# EAGLE board Mk4 Final a Panel score 2x5 (EAGLE 9.0.1), part 1 of 29 (continued)
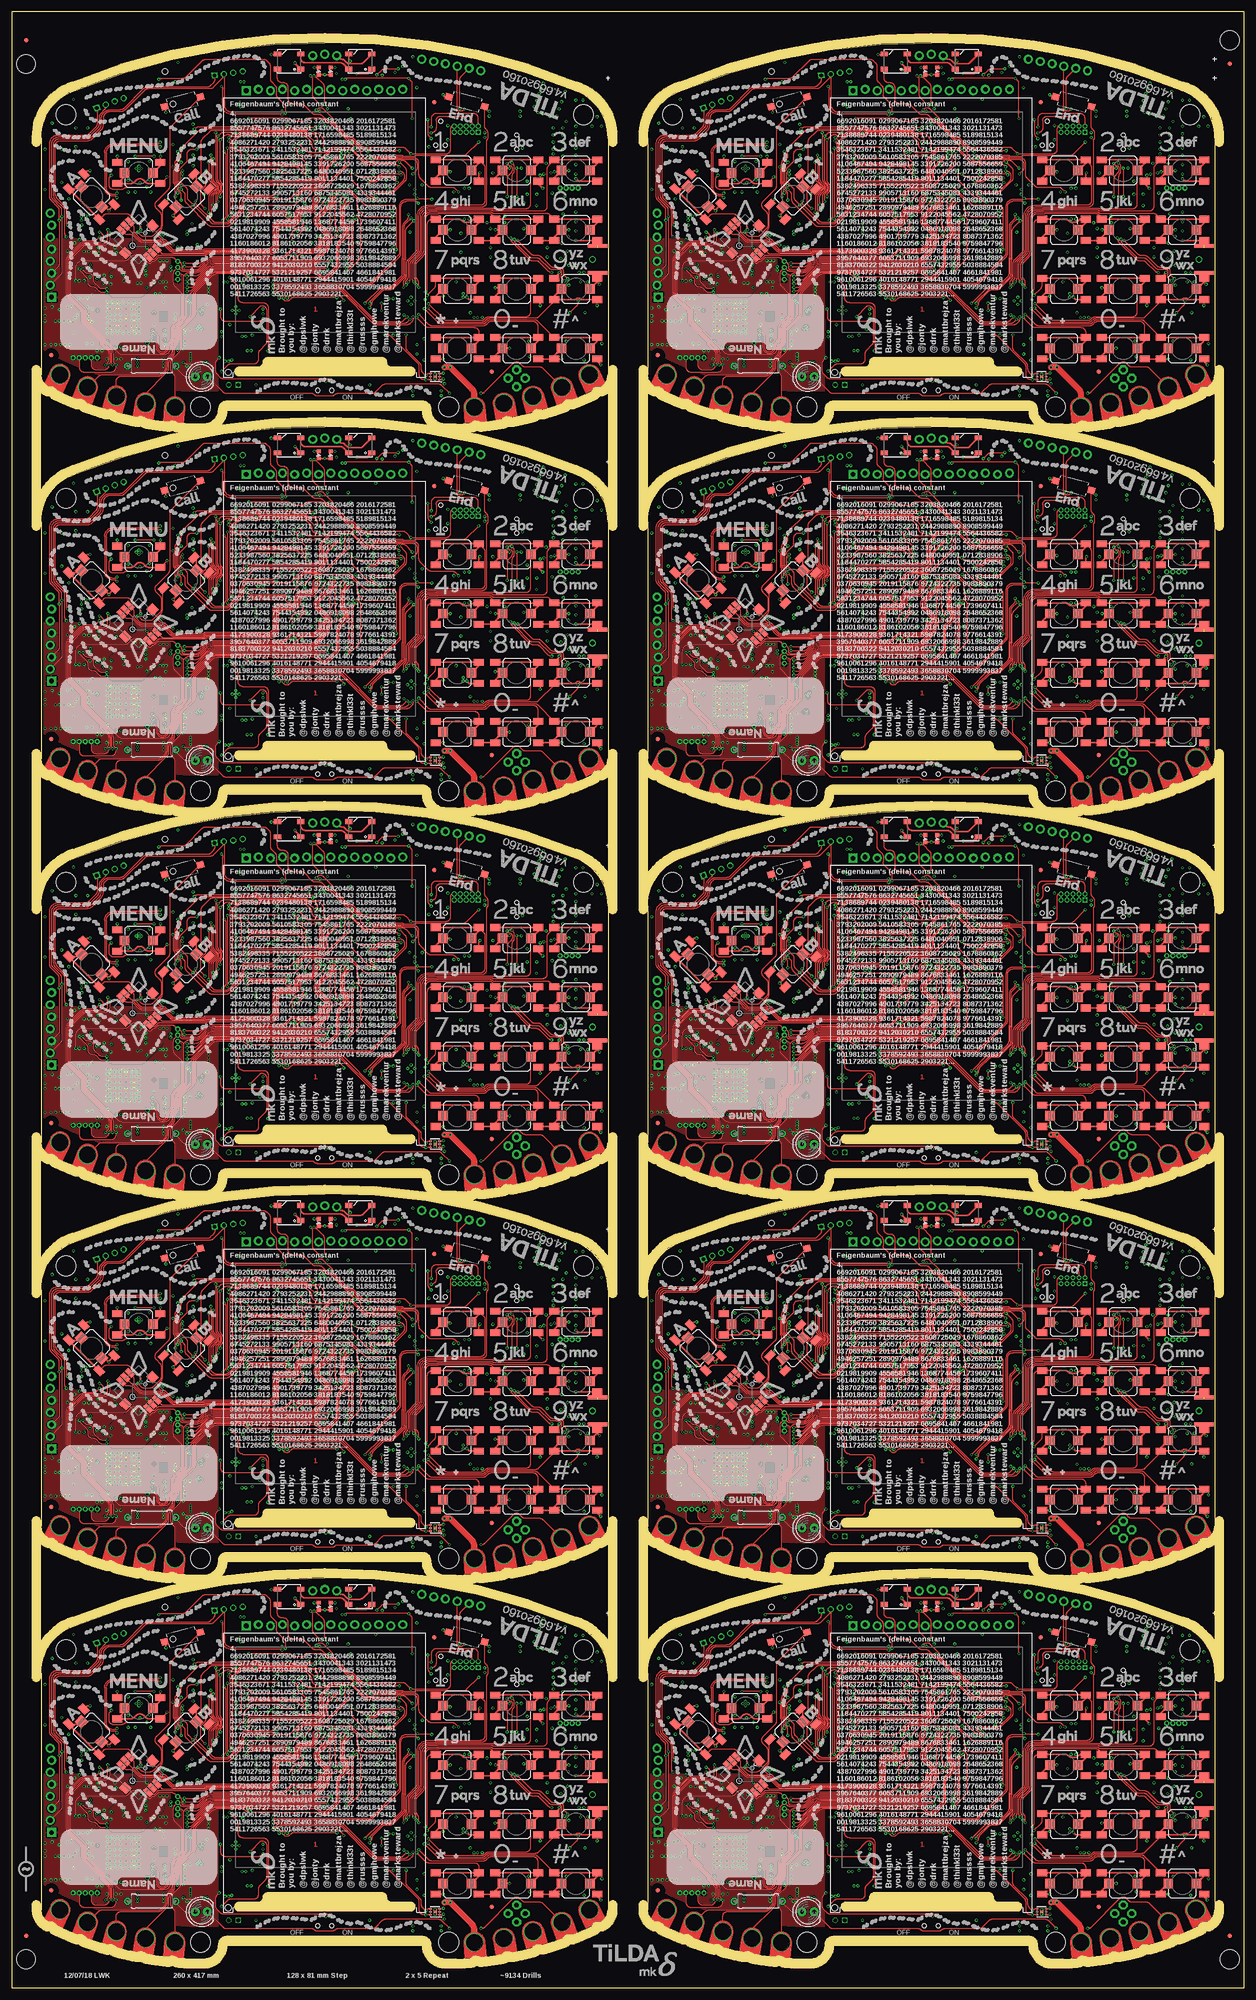
[diagram p0: board, top side]
## Placement (x,y rotation side)
ANT1  2450AT18D0100  [2450AT18D0100]  7.65,25.25 270 bottom
ANT2  2450AT18D0100  [2450AT18D0100]  114.25,76.5 20 bottom
ANT3  2450AT18D0100  [2450AT18D0100]  135.65,25.25 270 bottom
ANT4  2450AT18D0100  [2450AT18D0100]  242.25,76.5 20 bottom
ANT5  2450AT18D0100  [2450AT18D0100]  7.65,106.25 270 bottom
ANT6  2450AT18D0100  [2450AT18D0100]  114.25,157.5 20 bottom
ANT7  2450AT18D0100  [2450AT18D0100]  135.65,106.25 270 bottom
ANT8  2450AT18D0100  [2450AT18D0100]  242.25,157.5 20 bottom
ANT9  2450AT18D0100  [2450AT18D0100]  7.65,187.25 270 bottom
ANT10  2450AT18D0100  [2450AT18D0100]  114.25,238.5 20 bottom
ANT11  2450AT18D0100  [2450AT18D0100]  135.65,187.25 270 bottom
ANT12  2450AT18D0100  [2450AT18D0100]  242.25,238.5 20 bottom
ANT13  2450AT18D0100  [2450AT18D0100]  7.65,268.25 270 bottom
ANT14  2450AT18D0100  [2450AT18D0100]  114.25,319.5 20 bottom
ANT15  2450AT18D0100  [2450AT18D0100]  135.65,268.25 270 bottom
ANT16  2450AT18D0100  [2450AT18D0100]  242.25,319.5 20 bottom
ANT17  2450AT18D0100  [2450AT18D0100]  7.65,349.25 270 bottom
ANT18  2450AT18D0100  [2450AT18D0100]  114.25,400.5 20 bottom
ANT19  2450AT18D0100  [2450AT18D0100]  135.65,349.25 270 bottom
ANT20  2450AT18D0100  [2450AT18D0100]  242.25,400.5 20 bottom
ARTWORK1  ARTWORK_JOYSTICK  [TILDA_ARTWORK_JOYSTICK]  26.8,45 0 top
ARTWORK2  ARTWORK_KEYPAD-2  [TILDA_ARTWORK_KEYPAD-2]  66,6 0 top
ARTWORK3  ARTWORK_NAME  [TILDA_ARTWORK]  54.15,43.05 0 bottom
ARTWORK4  ARTWORK_MKDELTA  [TILDA_ARTWORK_MKDELTA]  43.5,41 0 bottom
ARTWORK5  ARTWORK_NAME_BLOCK  [TILDA_ARTWORK_NAME]  43.5,34 180 top
ARTWORK6  ARTWORK_MK4-JAKE  [TILDA_ARTWORK_JAKE]  66,6 0 top
ARTWORK7  ARTWORK_QR-2018  [TILDA_ARTWORK_QR-2018]  110.25,72.75 0 bottom
ARTWORK8  ARTWORK_JOYSTICK  [TILDA_ARTWORK_JOYSTICK]  154.8,45 0 top
ARTWORK9  ARTWORK_KEYPAD-2  [TILDA_ARTWORK_KEYPAD-2]  194,6 0 top
ARTWORK10  ARTWORK_NAME  [TILDA_ARTWORK]  182.15,43.05 0 bottom
ARTWORK11  ARTWORK_MKDELTA  [TILDA_ARTWORK_MKDELTA]  171.5,41 0 bottom
ARTWORK12  ARTWORK_NAME_BLOCK  [TILDA_ARTWORK_NAME]  171.5,34 180 top
ARTWORK13  ARTWORK_MK4-JAKE  [TILDA_ARTWORK_JAKE]  194,6 0 top
ARTWORK14  ARTWORK_QR-2018  [TILDA_ARTWORK_QR-2018]  238.25,72.75 0 bottom
ARTWORK15  ARTWORK_JOYSTICK  [TILDA_ARTWORK_JOYSTICK]  26.8,126 0 top
ARTWORK16  ARTWORK_KEYPAD-2  [TILDA_ARTWORK_KEYPAD-2]  66,87 0 top
ARTWORK17  ARTWORK_NAME  [TILDA_ARTWORK]  54.15,124.05 0 bottom
ARTWORK18  ARTWORK_MKDELTA  [TILDA_ARTWORK_MKDELTA]  43.5,122 0 bottom
ARTWORK19  ARTWORK_NAME_BLOCK  [TILDA_ARTWORK_NAME]  43.5,115 180 top
ARTWORK20  ARTWORK_MK4-JAKE  [TILDA_ARTWORK_JAKE]  66,87 0 top
ARTWORK21  ARTWORK_QR-2018  [TILDA_ARTWORK_QR-2018]  110.25,153.75 0 bottom
ARTWORK22  ARTWORK_JOYSTICK  [TILDA_ARTWORK_JOYSTICK]  154.8,126 0 top
ARTWORK23  ARTWORK_KEYPAD-2  [TILDA_ARTWORK_KEYPAD-2]  194,87 0 top
ARTWORK24  ARTWORK_NAME  [TILDA_ARTWORK]  182.15,124.05 0 bottom
ARTWORK25  ARTWORK_MKDELTA  [TILDA_ARTWORK_MKDELTA]  171.5,122 0 bottom
ARTWORK26  ARTWORK_NAME_BLOCK  [TILDA_ARTWORK_NAME]  171.5,115 180 top
ARTWORK27  ARTWORK_MK4-JAKE  [TILDA_ARTWORK_JAKE]  194,87 0 top
ARTWORK28  ARTWORK_QR-2018  [TILDA_ARTWORK_QR-2018]  238.25,153.75 0 bottom
ARTWORK29  ARTWORK_JOYSTICK  [TILDA_ARTWORK_JOYSTICK]  26.8,207 0 top
ARTWORK30  ARTWORK_KEYPAD-2  [TILDA_ARTWORK_KEYPAD-2]  66,168 0 top
ARTWORK31  ARTWORK_NAME  [TILDA_ARTWORK]  54.15,205.05 0 bottom
ARTWORK32  ARTWORK_MKDELTA  [TILDA_ARTWORK_MKDELTA]  43.5,203 0 bottom
ARTWORK33  ARTWORK_NAME_BLOCK  [TILDA_ARTWORK_NAME]  43.5,196 180 top
ARTWORK34  ARTWORK_MK4-JAKE  [TILDA_ARTWORK_JAKE]  66,168 0 top
ARTWORK35  ARTWORK_QR-2018  [TILDA_ARTWORK_QR-2018]  110.25,234.75 0 bottom
ARTWORK36  ARTWORK_JOYSTICK  [TILDA_ARTWORK_JOYSTICK]  154.8,207 0 top
ARTWORK37  ARTWORK_KEYPAD-2  [TILDA_ARTWORK_KEYPAD-2]  194,168 0 top
ARTWORK38  ARTWORK_NAME  [TILDA_ARTWORK]  182.15,205.05 0 bottom
ARTWORK39  ARTWORK_MKDELTA  [TILDA_ARTWORK_MKDELTA]  171.5,203 0 bottom
ARTWORK40  ARTWORK_NAME_BLOCK  [TILDA_ARTWORK_NAME]  171.5,196 180 top
ARTWORK41  ARTWORK_MK4-JAKE  [TILDA_ARTWORK_JAKE]  194,168 0 top
ARTWORK42  ARTWORK_QR-2018  [TILDA_ARTWORK_QR-2018]  238.25,234.75 0 bottom
ARTWORK43  ARTWORK_JOYSTICK  [TILDA_ARTWORK_JOYSTICK]  26.8,288 0 top
ARTWORK44  ARTWORK_KEYPAD-2  [TILDA_ARTWORK_KEYPAD-2]  66,249 0 top
ARTWORK45  ARTWORK_NAME  [TILDA_ARTWORK]  54.15,286.05 0 bottom
ARTWORK46  ARTWORK_MKDELTA  [TILDA_ARTWORK_MKDELTA]  43.5,284 0 bottom
ARTWORK47  ARTWORK_NAME_BLOCK  [TILDA_ARTWORK_NAME]  43.5,277 180 top
ARTWORK48  ARTWORK_MK4-JAKE  [TILDA_ARTWORK_JAKE]  66,249 0 top
ARTWORK49  ARTWORK_QR-2018  [TILDA_ARTWORK_QR-2018]  110.25,315.75 0 bottom
ARTWORK50  ARTWORK_JOYSTICK  [TILDA_ARTWORK_JOYSTICK]  154.8,288 0 top
ARTWORK51  ARTWORK_KEYPAD-2  [TILDA_ARTWORK_KEYPAD-2]  194,249 0 top
ARTWORK52  ARTWORK_NAME  [TILDA_ARTWORK]  182.15,286.05 0 bottom
ARTWORK53  ARTWORK_MKDELTA  [TILDA_ARTWORK_MKDELTA]  171.5,284 0 bottom
ARTWORK54  ARTWORK_NAME_BLOCK  [TILDA_ARTWORK_NAME]  171.5,277 180 top
ARTWORK55  ARTWORK_MK4-JAKE  [TILDA_ARTWORK_JAKE]  194,249 0 top
ARTWORK56  ARTWORK_QR-2018  [TILDA_ARTWORK_QR-2018]  238.25,315.75 0 bottom
ARTWORK57  ARTWORK_JOYSTICK  [TILDA_ARTWORK_JOYSTICK]  26.8,369 0 top
ARTWORK58  ARTWORK_KEYPAD-2  [TILDA_ARTWORK_KEYPAD-2]  66,330 0 top
ARTWORK59  ARTWORK_NAME  [TILDA_ARTWORK]  54.15,367.05 0 bottom
ARTWORK60  ARTWORK_MKDELTA  [TILDA_ARTWORK_MKDELTA]  43.5,365 0 bottom
ARTWORK61  ARTWORK_NAME_BLOCK  [TILDA_ARTWORK_NAME]  43.5,358 180 top
ARTWORK62  ARTWORK_MK4-JAKE  [TILDA_ARTWORK_JAKE]  66,330 0 top
ARTWORK63  ARTWORK_QR-2018  [TILDA_ARTWORK_QR-2018]  110.25,396.75 0 bottom
ARTWORK64  ARTWORK_JOYSTICK  [TILDA_ARTWORK_JOYSTICK]  154.8,369 0 top
ARTWORK65  ARTWORK_KEYPAD-2  [TILDA_ARTWORK_KEYPAD-2]  194,330 0 top
ARTWORK66  ARTWORK_NAME  [TILDA_ARTWORK]  182.15,367.05 0 bottom
ARTWORK67  ARTWORK_MKDELTA  [TILDA_ARTWORK_MKDELTA]  171.5,365 0 bottom
ARTWORK68  ARTWORK_NAME_BLOCK  [TILDA_ARTWORK_NAME]  171.5,358 180 top
ARTWORK69  ARTWORK_MK4-JAKE  [TILDA_ARTWORK_JAKE]  194,330 0 top
ARTWORK70  ARTWORK_QR-2018  [TILDA_ARTWORK_QR-2018]  238.25,396.75 0 bottom
BATT  1000mAh JST-PH  [BATTERY-32X50]  65.5,18 90 top
BATT1  1000mAh JST-PH  [BATTERY-32X50]  193.5,18 90 top
BATT2  1000mAh JST-PH  [BATTERY-32X50]  65.5,99 90 top
BATT3  1000mAh JST-PH  [BATTERY-32X50]  193.5,99 90 top
BATT4  1000mAh JST-PH  [BATTERY-32X50]  65.5,180 90 top
BATT5  1000mAh JST-PH  [BATTERY-32X50]  193.5,180 90 top
BATT6  1000mAh JST-PH  [BATTERY-32X50]  65.5,261 90 top
BATT7  1000mAh JST-PH  [BATTERY-32X50]  193.5,261 90 top
BATT8  1000mAh JST-PH  [BATTERY-32X50]  65.5,342 90 top
BATT9  1000mAh JST-PH  [BATTERY-32X50]  193.5,342 90 top
C1  0603/1u/6V3/X5R  [C0603K-SMALL]  60.75,81.5 270 bottom
C2  0402/100n/10V/X5R  [C0402-SMALLER]  75.75,52.25 0 bottom
C3  0402/100n/10V/X5R  [C0402-SMALLER]  68.5,78.75 270 bottom
C4  0402/100n/10V/X5R  [C0402-SMALLER]  75.5,74.5 0 bottom
C5  0402/100n/10V/X5R  [C0402-SMALLER]  84.45,76.5 270 bottom
C6  0603/2u2/6V3/X5R  [C0603K-SMALL]  77,57.5 0 bottom
C7  0603/1u/6V3/X5R  [C0603K-SMALL]  77,56.25 0 bottom
C8  0402/100n/10V/X5R  [C0402-SMALLER]  67.75,69 270 bottom
C9  0402/100n/10V/X5R  [C0402-SMALLER]  75.5,59.25 90 bottom
C10  0402/100n/10V/X5R  [C0402-SMALLER]  56.75,58.6 270 bottom
C11  0402/100n/10V/X5R  [C0402-SMALLER]  65.5,68.25 0 bottom
C12  0402/100n/10V/X5R  [C0402-SMALLER]  66,49.5 180 bottom
C13  0402/100n/10V/X5R  [C0402-SMALLER]  68.75,49.5 180 bottom
C14  0603/1u/6V3/X5R  [C0603K-SMALL]  68.75,47.75 180 bottom
C15  0402/100n/10V/X5R  [C0402-SMALLER]  64.5,70.25 0 bottom
C16  0402/12p/50V/C0G  [C0402-SMALLER]  68.25,70.45 180 bottom
C17  0402/12p/50V/C0G  [C0402-SMALLER]  70.25,70.45 0 bottom
C18  0402/12p/50V/C0G  [C0402-SMALLER]  59.4,69 180 bottom
C19  0402/12p/50V/C0G  [C0402-SMALLER]  61.4,69 0 bottom
C20  0603/3n3/50V/X7R  [C0603K-SMALL]  82.5,83.5 90 bottom
C21  0402/100n/10V/X5R  [C0402-SMALLER]  80,31.75 180 bottom
C22  0402/100n/10V/X5R  [C0402-SMALLER]  50.25,67.5 0 bottom
C23  0402/100n/10V/X5R  [C0402-SMALLER]  50.25,62.75 0 bottom
C24  0402/100n/10V/X5R  [C0402-SMALLER]  35.25,60.25 180 bottom
C25  0402/100n/10V/X5R  [C0402-SMALLER]  50.25,58.75 0 bottom
C26  0402/100n/10V/X5R  [C0402-SMALLER]  50.25,69 0 bottom
C27  0402/100n/10V/X5R  [C0402-SMALLER]  35.25,65 180 bottom
C28  0402/100n/10V/X5R  [C0402-SMALLER]  50.25,48.25 0 bottom
C29  1411/100u/10V/Tant  [CT3528]  102.25,31.5 90 bottom
C30  0603/4u7/10V/X5R  [C0603K-SMALL]  107.5,33.75 180 bottom
C31  0402/100n/10V/X5R  [C0402-SMALLER]  109.25,36.75 180 bottom
C32  1411/100u/10V/Tant  [CT3528]  98.5,31.5 90 bottom
C33  0805/10u/10V/X5R  [C0805-N]  38.45,24.75 0 bottom
C34  0805/10u/10V/X5R  [C0805-N]  87,21.75 270 bottom
C35  0805/10u/10V/X5R  [C0805-N]  49.75,26 180 bottom
C36  0805/10u/10V/X5R  [C0805-N]  42.75,32.5 90 bottom
C37  0402/47n/10V/X5R  [C0402-SMALLER]  42.75,29.25 0 bottom
C38  0603/4u7/10V/X5R  [C0603K-SMALL]  57.75,46.25 180 bottom
C39  0603/4u7/10V/X5R  [C0603K-SMALL]  42.2,30.25 180 bottom
C40  0805/10u/10V/X5R  [C0805-N]  46.25,25 0 bottom
C41  0603/1u/6V3/X5R  [C0603K-SMALL]  43.75,34.75 0 bottom
C42  1210/100u/6V3/X5R  [C1210K]  32,43.25 270 bottom
C43  1210/100u/6V3/X5R  [C1210K]  29.25,19 0 bottom
C44  0402/100n/10V/X5R  [C0402-SMALLER]  20.1,36.25 90 bottom
C45  0402/100n/10V/X5R  [C0402-SMALLER]  57.75,45 180 bottom
C46  0603/4u7/10V/X5R  [C0603K-SMALL]  39.45,20.35 90 bottom
C47  0805/10u/10V/X5R  [C0805-N]  38.45,22.75 0 bottom
C48  0402/22p/10V/C0G  [C0402-SMALLER]  107.5,58.5 270 bottom
C49  0402/22p/10V/C0G  [C0402-SMALLER]  104.5,58.5 270 bottom
C50  0402/22p/10V/C0G  [C0402-SMALLER]  102.5,58.5 270 bottom
C51  0402/100n/10V/X5R  [C0402-SMALLER]  121.25,20.25 180 bottom
C52  0402/33p/50V/C0G  [C0402-SMALLER]  104,72 0 bottom
C53  0402/10p/50V/C0G  [C0402-SMALLER]  102,71 0 bottom
C54  0402/33p/50V/C0G  [C0402-SMALLER]  106,72 180 bottom
C55  0402/33p/50V/C0G  [C0402-SMALLER]  102,72 0 bottom
C56  0402/10p/50V/C0G  [C0402-SMALLER]  104,71 0 bottom
C57  0402/10p/50V/C0G  [C0402-SMALLER]  106,71 180 bottom
C58  0402/100n/10V/X5R  [C0402-SMALLER]  27.05,55.45 270 bottom
C59  0402/100n/10V/X5R  [C0402-SMALLER]  23,43.25 180 bottom
C60  0402/100n/10V/X5R  [C0402-SMALLER]  14.25,35 270 bottom
C61  0402/100n/10V/X5R  [C0402-SMALLER]  30.75,32.75 180 bottom
C62  0402/100n/10V/X5R  [C0402-SMALLER]  17.5,29.25 0 bottom
C63  0805/10u/10V/X5R  [C0805-N]  17.85,40.1 90 bottom
C64  0402/33p/50V/C0G  [C0402-SMALLER]  95.5,52.5 90 bottom
C65  0402/10p/50V/C0G  [C0402-SMALLER]  96.5,54.5 90 bottom
C66  0402/33p/50V/C0G  [C0402-SMALLER]  95.5,50.5 270 bottom
C67  0402/33p/50V/C0G  [C0402-SMALLER]  95.5,54.5 90 bottom
C68  0402/10p/50V/C0G  [C0402-SMALLER]  96.5,52.5 90 bottom
C69  0402/10p/50V/C0G  [C0402-SMALLER]  96.5,50.5 270 bottom
C70  0402/100n/10V/X5R  [C0402-SMALLER]  85.25,56.45 180 bottom
C71  0402/100n/10V/X5R  [C0402-SMALLER]  100.75,67 270 bottom
C72  [C0402-SMALLER]  117.45,44.1 270 bottom
C73  [C0402-SMALLER]  118,41.5 180 bottom
C74  [C0402-SMALLER]  116.75,71 20 bottom
C75  [C0402-SMALLER]  117.75,73.75 20 bottom
C76  [C0402-SMALLER]  11.75,29.5 270 bottom
C77  [C0402-SMALLER]  8.5,29.5 270 bottom
C78  0402/1n/10V/X5R  [C0402-SMALLER]  87.5,63.75 0 bottom
C79  0402/2n2/10V/X5R  [C0402-SMALLER]  85.5,63.75 0 bottom
C80  0402/100n/10V/X5R  [C0402-SMALLER]  90,61 0 bottom
C81  0402/100n/10V/X5R  [C0402-SMALLER]  90,60 0 bottom
C82  0402/220n/6V3/X5R  [C0402-SMALLER]  29.95,64.45 180 bottom
C83  0402/220n/6V3/X5R  [C0402-SMALLER]  29.95,65.45 180 bottom
C84  0603/22u/4V/X5R  [C0603K-SMALL]  27.25,38.75 90 bottom
C85  0603/22u/4V/X5R  [C0603K-SMALL]  26,38.75 90 bottom
C86  0603/1u/6V3/X5R  [C0603K-SMALL]  17.5,35.75 0 bottom
C87  0805/10u/10V/X5R  [C0805-N]  32.25,38 270 bottom
C88  0402/4u7/6V3/X5R  [C0402-SMALLER]  21.6,36 90 bottom
C89  0402/4u7/6V3/X5R  [C0402-SMALLER]  27.2,34.5 180 bottom
C90  0402/4u7/6V3/X5R  [C0402-SMALLER]  22.9,36.2 90 bottom
C91  0402/100n/10V/X5R  [C0402-SMALLER]  22,21 270 bottom
C92  0402/100n/10V/X5R  [C0402-SMALLER]  30,28.25 270 bottom
C93  0805/10u/10V/X5R  [C0805-N]  30.5,34.75 180 bottom
C94  0402/100n/10V/X5R  [C0402-SMALLER]  17.5,28.25 0 bottom
C95  0402/100n/10V/X5R  [C0402-SMALLER]  30.75,31.75 180 bottom
C96  0402/100n/10V/X5R  [C0402-SMALLER]  31,24.75 180 bottom
C97  0402/100n/10V/X5R  [C0402-SMALLER]  23,21 270 bottom
C98  0402/12p/50V/C0G  [C0402-SMALLER]  16.95,26.25 270 bottom
C99  0402/12p/50V/C0G  [C0402-SMALLER]  16.95,24.25 90 bottom
C100  0402/12p/50V/C0G  [C0402-SMALLER]  33.75,27.75 270 bottom
C101  0402/12p/50V/C0G  [C0402-SMALLER]  33.75,29.75 90 bottom
C102  0402/100n/10V/X5R  [C0402-SMALLER]  81,25.5 180 bottom
C103  0402/120p/50V/C0G  [C0402-SMALLER]  33.95,20.35 270 bottom
C104  0402/100n/10V/X5R  [C0402-SMALLER]  90.25,16 90 bottom
C105  0402/220n/6V3/X5R  [C0402-SMALLER]  29.95,66.4 180 bottom
C106  0402/220n/6V3/X5R  [C0402-SMALLER]  30,63.5 180 bottom
C107  0402/100n/10V/X5R  [C0402-SMALLER]  85.35,12.5 270 bottom
C108  0402/100n/10V/X5R  [C0402-SMALLER]  92,15.5 270 bottom
C109  0603/4u7/10V/X5R  [C0603K-SMALL]  185.75,46.25 180 bottom
C110  0402/100n/10V/X5R  [C0402-SMALLER]  185.75,45 180 bottom
C111  0603/1u/6V3/X5R  [C0603K-SMALL]  188.75,81.5 270 bottom
C112  0402/100n/10V/X5R  [C0402-SMALLER]  203.75,52.25 0 bottom
C113  0402/100n/10V/X5R  [C0402-SMALLER]  196.5,78.75 270 bottom
C114  0402/100n/10V/X5R  [C0402-SMALLER]  203.5,74.5 0 bottom
C115  0402/100n/10V/X5R  [C0402-SMALLER]  212.45,76.5 270 bottom
C116  0603/2u2/6V3/X5R  [C0603K-SMALL]  205,57.5 0 bottom
C117  0603/1u/6V3/X5R  [C0603K-SMALL]  205,56.25 0 bottom
C118  0402/100n/10V/X5R  [C0402-SMALLER]  195.75,69 270 bottom
C119  0402/100n/10V/X5R  [C0402-SMALLER]  203.5,59.25 90 bottom
C120  0402/100n/10V/X5R  [C0402-SMALLER]  184.75,58.6 270 bottom
C121  0402/100n/10V/X5R  [C0402-SMALLER]  193.5,68.25 0 bottom
C122  0402/100n/10V/X5R  [C0402-SMALLER]  194,49.5 180 bottom
C123  0402/100n/10V/X5R  [C0402-SMALLER]  196.75,49.5 180 bottom
C124  0603/1u/6V3/X5R  [C0603K-SMALL]  196.75,47.75 180 bottom
C125  0402/100n/10V/X5R  [C0402-SMALLER]  192.5,70.25 0 bottom
C126  0402/12p/50V/C0G  [C0402-SMALLER]  196.25,70.45 180 bottom
C127  0402/12p/50V/C0G  [C0402-SMALLER]  198.25,70.45 0 bottom
C128  0402/12p/50V/C0G  [C0402-SMALLER]  187.4,69 180 bottom
C129  0402/12p/50V/C0G  [C0402-SMALLER]  189.4,69 0 bottom
C130  0603/3n3/50V/X7R  [C0603K-SMALL]  210.5,83.5 90 bottom
C131  0402/100n/10V/X5R  [C0402-SMALLER]  208,31.75 180 bottom
C132  0402/100n/10V/X5R  [C0402-SMALLER]  178.25,67.5 0 bottom
C133  0402/100n/10V/X5R  [C0402-SMALLER]  178.25,62.75 0 bottom
C134  0402/100n/10V/X5R  [C0402-SMALLER]  163.25,60.25 180 bottom
C135  0402/100n/10V/X5R  [C0402-SMALLER]  178.25,58.75 0 bottom
C136  0402/100n/10V/X5R  [C0402-SMALLER]  178.25,69 0 bottom
C137  0402/100n/10V/X5R  [C0402-SMALLER]  163.25,65 180 bottom
C138  0402/100n/10V/X5R  [C0402-SMALLER]  178.25,48.25 0 bottom
C139  1411/100u/10V/Tant  [CT3528]  230.25,31.5 90 bottom
C140  0603/4u7/10V/X5R  [C0603K-SMALL]  235.5,33.75 180 bottom
C141  0402/100n/10V/X5R  [C0402-SMALLER]  237.25,36.75 180 bottom
C142  1411/100u/10V/Tant  [CT3528]  226.5,31.5 90 bottom
C143  0805/10u/10V/X5R  [C0805-N]  166.45,24.75 0 bottom
C144  0603/4u7/10V/X5R  [C0603K-SMALL]  167.45,20.35 90 bottom
C145  0805/10u/10V/X5R  [C0805-N]  166.45,22.75 0 bottom
C146  0805/10u/10V/X5R  [C0805-N]  215,21.75 270 bottom
C147  0805/10u/10V/X5R  [C0805-N]  177.75,26 180 bottom
C148  0805/10u/10V/X5R  [C0805-N]  170.75,32.5 90 bottom
C149  0603/4u7/10V/X5R  [C0603K-SMALL]  170.2,30.25 180 bottom
C150  0402/47n/10V/X5R  [C0402-SMALLER]  170.75,29.25 0 bottom
C151  0805/10u/10V/X5R  [C0805-N]  174.25,25 0 bottom
C152  0603/1u/6V3/X5R  [C0603K-SMALL]  171.75,34.75 0 bottom
C153  1210/100u/6V3/X5R  [C1210K]  160,43.25 270 bottom
C154  1210/100u/6V3/X5R  [C1210K]  157.25,19 0 bottom
C155  0402/22p/10V/C0G  [C0402-SMALLER]  235.5,58.5 270 bottom
C156  0402/22p/10V/C0G  [C0402-SMALLER]  232.5,58.5 270 bottom
C157  0402/22p/10V/C0G  [C0402-SMALLER]  230.5,58.5 270 bottom
C158  0402/100n/10V/X5R  [C0402-SMALLER]  249.25,20.25 180 bottom
C159  0402/33p/50V/C0G  [C0402-SMALLER]  232,72 0 bottom
C160  0402/10p/50V/C0G  [C0402-SMALLER]  230,71 0 bottom
C161  0402/33p/50V/C0G  [C0402-SMALLER]  234,72 180 bottom
C162  0402/33p/50V/C0G  [C0402-SMALLER]  230,72 0 bottom
C163  0402/10p/50V/C0G  [C0402-SMALLER]  232,71 0 bottom
C164  0402/10p/50V/C0G  [C0402-SMALLER]  234,71 180 bottom
C165  0402/33p/50V/C0G  [C0402-SMALLER]  223.5,52.5 90 bottom
C166  0402/10p/50V/C0G  [C0402-SMALLER]  224.5,54.5 90 bottom
C167  0402/33p/50V/C0G  [C0402-SMALLER]  223.5,50.5 270 bottom
C168  0402/33p/50V/C0G  [C0402-SMALLER]  223.5,54.5 90 bottom
C169  0402/10p/50V/C0G  [C0402-SMALLER]  224.5,52.5 90 bottom
C170  0402/10p/50V/C0G  [C0402-SMALLER]  224.5,50.5 270 bottom
C171  0402/100n/10V/X5R  [C0402-SMALLER]  213.25,56.45 180 bottom
C172  0402/100n/10V/X5R  [C0402-SMALLER]  228.75,67 270 bottom
C173  [C0402-SMALLER]  245.45,44.1 270 bottom
C174  [C0402-SMALLER]  246,41.5 180 bottom
C175  [C0402-SMALLER]  244.75,71 20 bottom
C176  [C0402-SMALLER]  245.75,73.75 20 bottom
C177  [C0402-SMALLER]  139.75,29.5 270 bottom
C178  [C0402-SMALLER]  136.5,29.5 270 bottom
C179  0402/1n/10V/X5R  [C0402-SMALLER]  215.5,63.75 0 bottom
C180  0402/2n2/10V/X5R  [C0402-SMALLER]  213.5,63.75 0 bottom
C181  0402/100n/10V/X5R  [C0402-SMALLER]  218,61 0 bottom
C182  0402/100n/10V/X5R  [C0402-SMALLER]  218,60 0 bottom
C183  0402/220n/6V3/X5R  [C0402-SMALLER]  157.95,64.45 180 bottom
C184  0402/220n/6V3/X5R  [C0402-SMALLER]  157.95,65.45 180 bottom
C185  0402/100n/10V/X5R  [C0402-SMALLER]  155.05,55.45 270 bottom
C186  0402/100n/10V/X5R  [C0402-SMALLER]  151,43.25 180 bottom
C187  0402/100n/10V/X5R  [C0402-SMALLER]  142.25,35 270 bottom
C188  0402/100n/10V/X5R  [C0402-SMALLER]  145.5,29.25 0 bottom
C189  0805/10u/10V/X5R  [C0805-N]  145.85,40.1 90 bottom
C190  0402/100n/10V/X5R  [C0402-SMALLER]  148.1,36.25 90 bottom
C191  0402/100n/10V/X5R  [C0402-SMALLER]  158.75,32.75 180 bottom
C192  0603/1u/6V3/X5R  [C0603K-SMALL]  145.5,35.75 0 bottom
C193  0603/22u/4V/X5R  [C0603K-SMALL]  155.25,38.75 90 bottom
C194  0603/22u/4V/X5R  [C0603K-SMALL]  154,38.75 90 bottom
C195  0805/10u/10V/X5R  [C0805-N]  160.25,38 270 bottom
C196  0402/4u7/6V3/X5R  [C0402-SMALLER]  149.6,36 90 bottom
C197  0402/4u7/6V3/X5R  [C0402-SMALLER]  155.2,34.5 180 bottom
C198  0402/4u7/6V3/X5R  [C0402-SMALLER]  150.9,36.2 90 bottom
C199  0402/100n/10V/X5R  [C0402-SMALLER]  150,21 270 bottom
C200  0402/100n/10V/X5R  [C0402-SMALLER]  158,28.25 270 bottom
C201  0805/10u/10V/X5R  [C0805-N]  158.5,34.75 180 bottom
C202  0402/100n/10V/X5R  [C0402-SMALLER]  145.5,28.25 0 bottom
C203  0402/100n/10V/X5R  [C0402-SMALLER]  158.75,31.75 180 bottom
C204  0402/100n/10V/X5R  [C0402-SMALLER]  159,24.75 180 bottom
C205  0402/100n/10V/X5R  [C0402-SMALLER]  151,21 270 bottom
C206  0402/12p/50V/C0G  [C0402-SMALLER]  144.95,26.25 270 bottom
C207  0402/12p/50V/C0G  [C0402-SMALLER]  144.95,24.25 90 bottom
C208  0402/12p/50V/C0G  [C0402-SMALLER]  161.75,27.75 270 bottom
C209  0402/12p/50V/C0G  [C0402-SMALLER]  161.75,29.75 90 bottom
C210  0402/100n/10V/X5R  [C0402-SMALLER]  209,25.5 180 bottom
C211  0402/120p/50V/C0G  [C0402-SMALLER]  161.95,20.35 270 bottom
C212  0402/100n/10V/X5R  [C0402-SMALLER]  218.25,16 90 bottom
C213  0402/220n/6V3/X5R  [C0402-SMALLER]  157.95,66.4 180 bottom
C214  0402/220n/6V3/X5R  [C0402-SMALLER]  158,63.5 180 bottom
C215  0402/100n/10V/X5R  [C0402-SMALLER]  213.35,12.5 270 bottom
C216  0402/100n/10V/X5R  [C0402-SMALLER]  220,15.5 270 bottom
C217  0603/4u7/10V/X5R  [C0603K-SMALL]  57.75,127.25 180 bottom
C218  0402/100n/10V/X5R  [C0402-SMALLER]  57.75,126 180 bottom
C219  0603/1u/6V3/X5R  [C0603K-SMALL]  60.75,162.5 270 bottom
C220  0402/100n/10V/X5R  [C0402-SMALLER]  75.75,133.25 0 bottom
C221  0402/100n/10V/X5R  [C0402-SMALLER]  68.5,159.75 270 bottom
C222  0402/100n/10V/X5R  [C0402-SMALLER]  75.5,155.5 0 bottom
C223  0402/100n/10V/X5R  [C0402-SMALLER]  84.45,157.5 270 bottom
C224  0603/2u2/6V3/X5R  [C0603K-SMALL]  77,138.5 0 bottom
C225  0603/1u/6V3/X5R  [C0603K-SMALL]  77,137.25 0 bottom
C226  0402/100n/10V/X5R  [C0402-SMALLER]  67.75,150 270 bottom
C227  0402/100n/10V/X5R  [C0402-SMALLER]  75.5,140.25 90 bottom
C228  0402/100n/10V/X5R  [C0402-SMALLER]  56.75,139.6 270 bottom
C229  0402/100n/10V/X5R  [C0402-SMALLER]  65.5,149.25 0 bottom
C230  0402/100n/10V/X5R  [C0402-SMALLER]  66,130.5 180 bottom
C231  0402/100n/10V/X5R  [C0402-SMALLER]  68.75,130.5 180 bottom
C232  0603/1u/6V3/X5R  [C0603K-SMALL]  68.75,128.75 180 bottom
C233  0402/100n/10V/X5R  [C0402-SMALLER]  64.5,151.25 0 bottom
C234  0402/12p/50V/C0G  [C0402-SMALLER]  68.25,151.45 180 bottom
C235  0402/12p/50V/C0G  [C0402-SMALLER]  70.25,151.45 0 bottom
C236  0402/12p/50V/C0G  [C0402-SMALLER]  59.4,150 180 bottom
C237  0402/12p/50V/C0G  [C0402-SMALLER]  61.4,150 0 bottom
C238  0603/3n3/50V/X7R  [C0603K-SMALL]  82.5,164.5 90 bottom
C239  0402/100n/10V/X5R  [C0402-SMALLER]  80,112.75 180 bottom
C240  0402/100n/10V/X5R  [C0402-SMALLER]  50.25,148.5 0 bottom
C241  0402/100n/10V/X5R  [C0402-SMALLER]  50.25,143.75 0 bottom
C242  0402/100n/10V/X5R  [C0402-SMALLER]  35.25,141.25 180 bottom
C243  0402/100n/10V/X5R  [C0402-SMALLER]  50.25,139.75 0 bottom
C244  0402/100n/10V/X5R  [C0402-SMALLER]  50.25,150 0 bottom
C245  0402/100n/10V/X5R  [C0402-SMALLER]  35.25,146 180 bottom
C246  0402/100n/10V/X5R  [C0402-SMALLER]  50.25,129.25 0 bottom
C247  1411/100u/10V/Tant  [CT3528]  102.25,112.5 90 bottom
C248  0603/4u7/10V/X5R  [C0603K-SMALL]  107.5,114.75 180 bottom
C249  0402/100n/10V/X5R  [C0402-SMALLER]  109.25,117.75 180 bottom
C250  1411/100u/10V/Tant  [CT3528]  98.5,112.5 90 bottom
C251  0805/10u/10V/X5R  [C0805-N]  38.45,105.75 0 bottom
C252  0603/4u7/10V/X5R  [C0603K-SMALL]  39.45,101.35 90 bottom
C253  0805/10u/10V/X5R  [C0805-N]  38.45,103.75 0 bottom
C254  0805/10u/10V/X5R  [C0805-N]  87,102.75 270 bottom
C255  0805/10u/10V/X5R  [C0805-N]  49.75,107 180 bottom
C256  0805/10u/10V/X5R  [C0805-N]  42.75,113.5 90 bottom
C257  0603/4u7/10V/X5R  [C0603K-SMALL]  42.2,111.25 180 bottom
C258  0402/47n/10V/X5R  [C0402-SMALLER]  42.75,110.25 0 bottom
C259  0805/10u/10V/X5R  [C0805-N]  46.25,106 0 bottom
C260  0603/1u/6V3/X5R  [C0603K-SMALL]  43.75,115.75 0 bottom
C261  1210/100u/6V3/X5R  [C1210K]  32,124.25 270 bottom
C262  1210/100u/6V3/X5R  [C1210K]  29.25,100 0 bottom
C263  0402/22p/10V/C0G  [C0402-SMALLER]  107.5,139.5 270 bottom
C264  0402/22p/10V/C0G  [C0402-SMALLER]  104.5,139.5 270 bottom
C265  0402/22p/10V/C0G  [C0402-SMALLER]  102.5,139.5 270 bottom
C266  0402/100n/10V/X5R  [C0402-SMALLER]  121.25,101.25 180 bottom
C267  0402/33p/50V/C0G  [C0402-SMALLER]  104,153 0 bottom
C268  0402/10p/50V/C0G  [C0402-SMALLER]  102,152 0 bottom
C269  0402/33p/50V/C0G  [C0402-SMALLER]  106,153 180 bottom
C270  0402/33p/50V/C0G  [C0402-SMALLER]  102,153 0 bottom
C271  0402/10p/50V/C0G  [C0402-SMALLER]  104,152 0 bottom
C272  0402/10p/50V/C0G  [C0402-SMALLER]  106,152 180 bottom
C273  0402/33p/50V/C0G  [C0402-SMALLER]  95.5,133.5 90 bottom
C274  0402/10p/50V/C0G  [C0402-SMALLER]  96.5,135.5 90 bottom
C275  0402/33p/50V/C0G  [C0402-SMALLER]  95.5,131.5 270 bottom
C276  0402/33p/50V/C0G  [C0402-SMALLER]  95.5,135.5 90 bottom
C277  0402/10p/50V/C0G  [C0402-SMALLER]  96.5,133.5 90 bottom
C278  0402/10p/50V/C0G  [C0402-SMALLER]  96.5,131.5 270 bottom
C279  0402/100n/10V/X5R  [C0402-SMALLER]  85.25,137.45 180 bottom
C280  0402/100n/10V/X5R  [C0402-SMALLER]  100.75,148 270 bottom
C281  [C0402-SMALLER]  117.45,125.1 270 bottom
C282  [C0402-SMALLER]  118,122.5 180 bottom
C283  [C0402-SMALLER]  116.75,152 20 bottom
C284  [C0402-SMALLER]  117.75,154.75 20 bottom
C285  [C0402-SMALLER]  11.75,110.5 270 bottom
C286  [C0402-SMALLER]  8.5,110.5 270 bottom
C287  0402/1n/10V/X5R  [C0402-SMALLER]  87.5,144.75 0 bottom
C288  0402/2n2/10V/X5R  [C0402-SMALLER]  85.5,144.75 0 bottom
C289  0402/100n/10V/X5R  [C0402-SMALLER]  90,142 0 bottom
C290  0402/100n/10V/X5R  [C0402-SMALLER]  90,141 0 bottom
C291  0402/220n/6V3/X5R  [C0402-SMALLER]  29.95,145.45 180 bottom
C292  0402/220n/6V3/X5R  [C0402-SMALLER]  29.95,146.45 180 bottom
C293  0402/100n/10V/X5R  [C0402-SMALLER]  27.05,136.45 270 bottom
C294  0402/100n/10V/X5R  [C0402-SMALLER]  23,124.25 180 bottom
C295  0402/100n/10V/X5R  [C0402-SMALLER]  14.25,116 270 bottom
C296  0402/100n/10V/X5R  [C0402-SMALLER]  17.5,110.25 0 bottom
C297  0805/10u/10V/X5R  [C0805-N]  17.85,121.1 90 bottom
C298  0402/100n/10V/X5R  [C0402-SMALLER]  20.1,117.25 90 bottom
C299  0402/100n/10V/X5R  [C0402-SMALLER]  30.75,113.75 180 bottom
C300  0603/1u/6V3/X5R  [C0603K-SMALL]  17.5,116.75 0 bottom
C301  0603/22u/4V/X5R  [C0603K-SMALL]  27.25,119.75 90 bottom
C302  0603/22u/4V/X5R  [C0603K-SMALL]  26,119.75 90 bottom
C303  0805/10u/10V/X5R  [C0805-N]  32.25,119 270 bottom
C304  0402/4u7/6V3/X5R  [C0402-SMALLER]  21.6,117 90 bottom
C305  0402/4u7/6V3/X5R  [C0402-SMALLER]  27.2,115.5 180 bottom
C306  0402/4u7/6V3/X5R  [C0402-SMALLER]  22.9,117.2 90 bottom
C307  0402/100n/10V/X5R  [C0402-SMALLER]  22,102 270 bottom
C308  0402/100n/10V/X5R  [C0402-SMALLER]  30,109.25 270 bottom
C309  0805/10u/10V/X5R  [C0805-N]  30.5,115.75 180 bottom
C310  0402/100n/10V/X5R  [C0402-SMALLER]  17.5,109.25 0 bottom
C311  0402/100n/10V/X5R  [C0402-SMALLER]  30.75,112.75 180 bottom
C312  0402/100n/10V/X5R  [C0402-SMALLER]  31,105.75 180 bottom
C313  0402/100n/10V/X5R  [C0402-SMALLER]  23,102 270 bottom
C314  0402/12p/50V/C0G  [C0402-SMALLER]  16.95,107.25 270 bottom
C315  0402/12p/50V/C0G  [C0402-SMALLER]  16.95,105.25 90 bottom
C316  0402/12p/50V/C0G  [C0402-SMALLER]  33.75,108.75 270 bottom
C317  0402/12p/50V/C0G  [C0402-SMALLER]  33.75,110.75 90 bottom
C318  0402/100n/10V/X5R  [C0402-SMALLER]  81,106.5 180 bottom
C319  0402/120p/50V/C0G  [C0402-SMALLER]  33.95,101.35 270 bottom
C320  0402/100n/10V/X5R  [C0402-SMALLER]  90.25,97 90 bottom
C321  0402/220n/6V3/X5R  [C0402-SMALLER]  29.95,147.4 180 bottom
C322  0402/220n/6V3/X5R  [C0402-SMALLER]  30,144.5 180 bottom
C323  0402/100n/10V/X5R  [C0402-SMALLER]  85.35,93.5 270 bottom
C324  0402/100n/10V/X5R  [C0402-SMALLER]  92,96.5 270 bottom
C325  0603/4u7/10V/X5R  [C0603K-SMALL]  185.75,127.25 180 bottom
C326  0402/100n/10V/X5R  [C0402-SMALLER]  185.75,126 180 bottom
C327  0603/1u/6V3/X5R  [C0603K-SMALL]  188.75,162.5 270 bottom
C328  0402/100n/10V/X5R  [C0402-SMALLER]  203.75,133.25 0 bottom
C329  0402/100n/10V/X5R  [C0402-SMALLER]  196.5,159.75 270 bottom
C330  0402/100n/10V/X5R  [C0402-SMALLER]  203.5,155.5 0 bottom
C331  0402/100n/10V/X5R  [C0402-SMALLER]  212.45,157.5 270 bottom
C332  0603/2u2/6V3/X5R  [C0603K-SMALL]  205,138.5 0 bottom
C333  0603/1u/6V3/X5R  [C0603K-SMALL]  205,137.25 0 bottom
C334  0402/100n/10V/X5R  [C0402-SMALLER]  195.75,150 270 bottom
C335  0402/100n/10V/X5R  [C0402-SMALLER]  203.5,140.25 90 bottom
C336  0402/100n/10V/X5R  [C0402-SMALLER]  184.75,139.6 270 bottom
C337  0402/100n/10V/X5R  [C0402-SMALLER]  193.5,149.25 0 bottom
C338  0402/100n/10V/X5R  [C0402-SMALLER]  194,130.5 180 bottom
C339  0402/100n/10V/X5R  [C0402-SMALLER]  196.75,130.5 180 bottom
C340  0603/1u/6V3/X5R  [C0603K-SMALL]  196.75,128.75 180 bottom
C341  0402/100n/10V/X5R  [C0402-SMALLER]  192.5,151.25 0 bottom
C342  0402/12p/50V/C0G  [C0402-SMALLER]  196.25,151.45 180 bottom
C343  0402/12p/50V/C0G  [C0402-SMALLER]  198.25,151.45 0 bottom
C344  0402/12p/50V/C0G  [C0402-SMALLER]  187.4,150 180 bottom
C345  0402/12p/50V/C0G  [C0402-SMALLER]  189.4,150 0 bottom
C346  0603/3n3/50V/X7R  [C0603K-SMALL]  210.5,164.5 90 bottom
C347  0402/100n/10V/X5R  [C0402-SMALLER]  208,112.75 180 bottom
C348  0402/100n/10V/X5R  [C0402-SMALLER]  178.25,148.5 0 bottom
C349  0402/100n/10V/X5R  [C0402-SMALLER]  178.25,143.75 0 bottom
C350  0402/100n/10V/X5R  [C0402-SMALLER]  163.25,141.25 180 bottom
C351  0402/100n/10V/X5R  [C0402-SMALLER]  178.25,139.75 0 bottom
C352  0402/100n/10V/X5R  [C0402-SMALLER]  178.25,150 0 bottom
C353  0402/100n/10V/X5R  [C0402-SMALLER]  163.25,146 180 bottom
C354  0402/100n/10V/X5R  [C0402-SMALLER]  178.25,129.25 0 bottom
C355  1411/100u/10V/Tant  [CT3528]  230.25,112.5 90 bottom
C356  0603/4u7/10V/X5R  [C0603K-SMALL]  235.5,114.75 180 bottom
C357  0402/100n/10V/X5R  [C0402-SMALLER]  237.25,117.75 180 bottom
C358  1411/100u/10V/Tant  [CT3528]  226.5,112.5 90 bottom
C359  0805/10u/10V/X5R  [C0805-N]  166.45,105.75 0 bottom
C360  0603/4u7/10V/X5R  [C0603K-SMALL]  167.45,101.35 90 bottom
C361  0805/10u/10V/X5R  [C0805-N]  166.45,103.75 0 bottom
C362  0805/10u/10V/X5R  [C0805-N]  215,102.75 270 bottom
C363  0805/10u/10V/X5R  [C0805-N]  177.75,107 180 bottom
C364  0805/10u/10V/X5R  [C0805-N]  170.75,113.5 90 bottom
C365  0603/4u7/10V/X5R  [C0603K-SMALL]  170.2,111.25 180 bottom
C366  0402/47n/10V/X5R  [C0402-SMALLER]  170.75,110.25 0 bottom
C367  0805/10u/10V/X5R  [C0805-N]  174.25,106 0 bottom
C368  0603/1u/6V3/X5R  [C0603K-SMALL]  171.75,115.75 0 bottom
C369  1210/100u/6V3/X5R  [C1210K]  160,124.25 270 bottom
C370  1210/100u/6V3/X5R  [C1210K]  157.25,100 0 bottom
C371  0402/22p/10V/C0G  [C0402-SMALLER]  235.5,139.5 270 bottom
C372  0402/22p/10V/C0G  [C0402-SMALLER]  232.5,139.5 270 bottom
C373  0402/22p/10V/C0G  [C0402-SMALLER]  230.5,139.5 270 bottom
C374  0402/100n/10V/X5R  [C0402-SMALLER]  249.25,101.25 180 bottom
C375  0402/33p/50V/C0G  [C0402-SMALLER]  232,153 0 bottom
C376  0402/10p/50V/C0G  [C0402-SMALLER]  230,152 0 bottom
C377  0402/33p/50V/C0G  [C0402-SMALLER]  234,153 180 bottom
C378  0402/33p/50V/C0G  [C0402-SMALLER]  230,153 0 bottom
C379  0402/10p/50V/C0G  [C0402-SMALLER]  232,152 0 bottom
C380  0402/10p/50V/C0G  [C0402-SMALLER]  234,152 180 bottom
C381  0402/33p/50V/C0G  [C0402-SMALLER]  223.5,133.5 90 bottom
C382  0402/10p/50V/C0G  [C0402-SMALLER]  224.5,135.5 90 bottom
C383  0402/33p/50V/C0G  [C0402-SMALLER]  223.5,131.5 270 bottom
C384  0402/33p/50V/C0G  [C0402-SMALLER]  223.5,135.5 90 bottom
C385  0402/10p/50V/C0G  [C0402-SMALLER]  224.5,133.5 90 bottom
C386  0402/10p/50V/C0G  [C0402-SMALLER]  224.5,131.5 270 bottom
C387  0402/100n/10V/X5R  [C0402-SMALLER]  213.25,137.45 180 bottom
C388  0402/100n/10V/X5R  [C0402-SMALLER]  228.75,148 270 bottom
C389  [C0402-SMALLER]  245.45,125.1 270 bottom
C390  [C0402-SMALLER]  246,122.5 180 bottom
C391  [C0402-SMALLER]  244.75,152 20 bottom
C392  [C0402-SMALLER]  245.75,154.75 20 bottom
C393  [C0402-SMALLER]  139.75,110.5 270 bottom
C394  [C0402-SMALLER]  136.5,110.5 270 bottom
C395  0402/1n/10V/X5R  [C0402-SMALLER]  215.5,144.75 0 bottom
C396  0402/2n2/10V/X5R  [C0402-SMALLER]  213.5,144.75 0 bottom
C397  0402/100n/10V/X5R  [C0402-SMALLER]  218,142 0 bottom
C398  0402/100n/10V/X5R  [C0402-SMALLER]  218,141 0 bottom
C399  0402/220n/6V3/X5R  [C0402-SMALLER]  157.95,145.45 180 bottom
C400  0402/220n/6V3/X5R  [C0402-SMALLER]  157.95,146.45 180 bottom
C401  0402/100n/10V/X5R  [C0402-SMALLER]  155.05,136.45 270 bottom
C402  0402/100n/10V/X5R  [C0402-SMALLER]  151,124.25 180 bottom
C403  0402/100n/10V/X5R  [C0402-SMALLER]  142.25,116 270 bottom
C404  0402/100n/10V/X5R  [C0402-SMALLER]  145.5,110.25 0 bottom
C405  0805/10u/10V/X5R  [C0805-N]  145.85,121.1 90 bottom
C406  0402/100n/10V/X5R  [C0402-SMALLER]  148.1,117.25 90 bottom
C407  0402/100n/10V/X5R  [C0402-SMALLER]  158.75,113.75 180 bottom
C408  0603/1u/6V3/X5R  [C0603K-SMALL]  145.5,116.75 0 bottom
C409  0603/22u/4V/X5R  [C0603K-SMALL]  155.25,119.75 90 bottom
C410  0603/22u/4V/X5R  [C0603K-SMALL]  154,119.75 90 bottom
C411  0805/10u/10V/X5R  [C0805-N]  160.25,119 270 bottom
C412  0402/4u7/6V3/X5R  [C0402-SMALLER]  149.6,117 90 bottom
C413  0402/4u7/6V3/X5R  [C0402-SMALLER]  155.2,115.5 180 bottom
C414  0402/4u7/6V3/X5R  [C0402-SMALLER]  150.9,117.2 90 bottom
C415  0402/100n/10V/X5R  [C0402-SMALLER]  150,102 270 bottom
C416  0402/100n/10V/X5R  [C0402-SMALLER]  158,109.25 270 bottom
C417  0805/10u/10V/X5R  [C0805-N]  158.5,115.75 180 bottom
C418  0402/100n/10V/X5R  [C0402-SMALLER]  145.5,109.25 0 bottom
C419  0402/100n/10V/X5R  [C0402-SMALLER]  158.75,112.75 180 bottom
C420  0402/100n/10V/X5R  [C0402-SMALLER]  159,105.75 180 bottom
C421  0402/100n/10V/X5R  [C0402-SMALLER]  151,102 270 bottom
C422  0402/12p/50V/C0G  [C0402-SMALLER]  144.95,107.25 270 bottom
C423  0402/12p/50V/C0G  [C0402-SMALLER]  144.95,105.25 90 bottom
C424  0402/12p/50V/C0G  [C0402-SMALLER]  161.75,108.75 270 bottom
C425  0402/12p/50V/C0G  [C0402-SMALLER]  161.75,110.75 90 bottom
C426  0402/100n/10V/X5R  [C0402-SMALLER]  209,106.5 180 bottom
C427  0402/120p/50V/C0G  [C0402-SMALLER]  161.95,101.35 270 bottom
C428  0402/100n/10V/X5R  [C0402-SMALLER]  218.25,97 90 bottom
C429  0402/220n/6V3/X5R  [C0402-SMALLER]  157.95,147.4 180 bottom
C430  0402/220n/6V3/X5R  [C0402-SMALLER]  158,144.5 180 bottom
C431  0402/100n/10V/X5R  [C0402-SMALLER]  213.35,93.5 270 bottom
C432  0402/100n/10V/X5R  [C0402-SMALLER]  220,96.5 270 bottom
C433  0603/4u7/10V/X5R  [C0603K-SMALL]  57.75,208.25 180 bottom
C434  0402/100n/10V/X5R  [C0402-SMALLER]  57.75,207 180 bottom
C435  0603/1u/6V3/X5R  [C0603K-SMALL]  60.75,243.5 270 bottom
C436  0402/100n/10V/X5R  [C0402-SMALLER]  75.75,214.25 0 bottom
C437  0402/100n/10V/X5R  [C0402-SMALLER]  68.5,240.75 270 bottom
C438  0402/100n/10V/X5R  [C0402-SMALLER]  75.5,236.5 0 bottom
C439  0402/100n/10V/X5R  [C0402-SMALLER]  84.45,238.5 270 bottom
C440  0603/2u2/6V3/X5R  [C0603K-SMALL]  77,219.5 0 bottom
C441  0603/1u/6V3/X5R  [C0603K-SMALL]  77,218.25 0 bottom
C442  0402/100n/10V/X5R  [C0402-SMALLER]  67.75,231 270 bottom
C443  0402/100n/10V/X5R  [C0402-SMALLER]  75.5,221.25 90 bottom
C444  0402/100n/10V/X5R  [C0402-SMALLER]  56.75,220.6 270 bottom
C445  0402/100n/10V/X5R  [C0402-SMALLER]  65.5,230.25 0 bottom
C446  0402/100n/10V/X5R  [C0402-SMALLER]  66,211.5 180 bottom
C447  0402/100n/10V/X5R  [C0402-SMALLER]  68.75,211.5 180 bottom
C448  0603/1u/6V3/X5R  [C0603K-SMALL]  68.75,209.75 180 bottom
C449  0402/100n/10V/X5R  [C0402-SMALLER]  64.5,232.25 0 bottom
C450  0402/12p/50V/C0G  [C0402-SMALLER]  68.25,232.45 180 bottom
C451  0402/12p/50V/C0G  [C0402-SMALLER]  70.25,232.45 0 bottom
C452  0402/12p/50V/C0G  [C0402-SMALLER]  59.4,231 180 bottom
C453  0402/12p/50V/C0G  [C0402-SMALLER]  61.4,231 0 bottom
C454  0603/3n3/50V/X7R  [C0603K-SMALL]  82.5,245.5 90 bottom
C455  0402/100n/10V/X5R  [C0402-SMALLER]  80,193.75 180 bottom
C456  0402/100n/10V/X5R  [C0402-SMALLER]  50.25,229.5 0 bottom
C457  0402/100n/10V/X5R  [C0402-SMALLER]  50.25,224.75 0 bottom
C458  0402/100n/10V/X5R  [C0402-SMALLER]  35.25,222.25 180 bottom
C459  0402/100n/10V/X5R  [C0402-SMALLER]  50.25,220.75 0 bottom
C460  0402/100n/10V/X5R  [C0402-SMALLER]  50.25,231 0 bottom
C461  0402/100n/10V/X5R  [C0402-SMALLER]  35.25,227 180 bottom
C462  0402/100n/10V/X5R  [C0402-SMALLER]  50.25,210.25 0 bottom
C463  1411/100u/10V/Tant  [CT3528]  102.25,193.5 90 bottom
C464  0603/4u7/10V/X5R  [C0603K-SMALL]  107.5,195.75 180 bottom
C465  0402/100n/10V/X5R  [C0402-SMALLER]  109.25,198.75 180 bottom
C466  1411/100u/10V/Tant  [CT3528]  98.5,193.5 90 bottom
C467  0805/10u/10V/X5R  [C0805-N]  38.45,186.75 0 bottom
C468  0603/4u7/10V/X5R  [C0603K-SMALL]  39.45,182.35 90 bottom
C469  0805/10u/10V/X5R  [C0805-N]  38.45,184.75 0 bottom
C470  0805/10u/10V/X5R  [C0805-N]  87,183.75 270 bottom
C471  0805/10u/10V/X5R  [C0805-N]  49.75,188 180 bottom
C472  0805/10u/10V/X5R  [C0805-N]  42.75,194.5 90 bottom
C473  0603/4u7/10V/X5R  [C0603K-SMALL]  42.2,192.25 180 bottom
C474  0402/47n/10V/X5R  [C0402-SMALLER]  42.75,191.25 0 bottom
C475  0805/10u/10V/X5R  [C0805-N]  46.25,187 0 bottom
C476  0603/1u/6V3/X5R  [C0603K-SMALL]  43.75,196.75 0 bottom
C477  1210/100u/6V3/X5R  [C1210K]  32,205.25 270 bottom
C478  1210/100u/6V3/X5R  [C1210K]  29.25,181 0 bottom
C479  0402/22p/10V/C0G  [C0402-SMALLER]  107.5,220.5 270 bottom
C480  0402/22p/10V/C0G  [C0402-SMALLER]  104.5,220.5 270 bottom
C481  0402/22p/10V/C0G  [C0402-SMALLER]  102.5,220.5 270 bottom
C482  0402/100n/10V/X5R  [C0402-SMALLER]  121.25,182.25 180 bottom
C483  0402/33p/50V/C0G  [C0402-SMALLER]  104,234 0 bottom